# Altium PCB CableNodeRevF Export in PCB ASCII Format.PcbDoc (part 3 of 4)
Units mil, origin at the board's own origin, x right, y up, seen from the top; angles counter-clockwise.
Board outline 3393.33 x 4682.75 mil, 4 copper layers (Top Layer, Internal Plane 1, Internal Plane 2, Bottom Layer); 163 components, 86 nets, 408 pads, 182 vias.
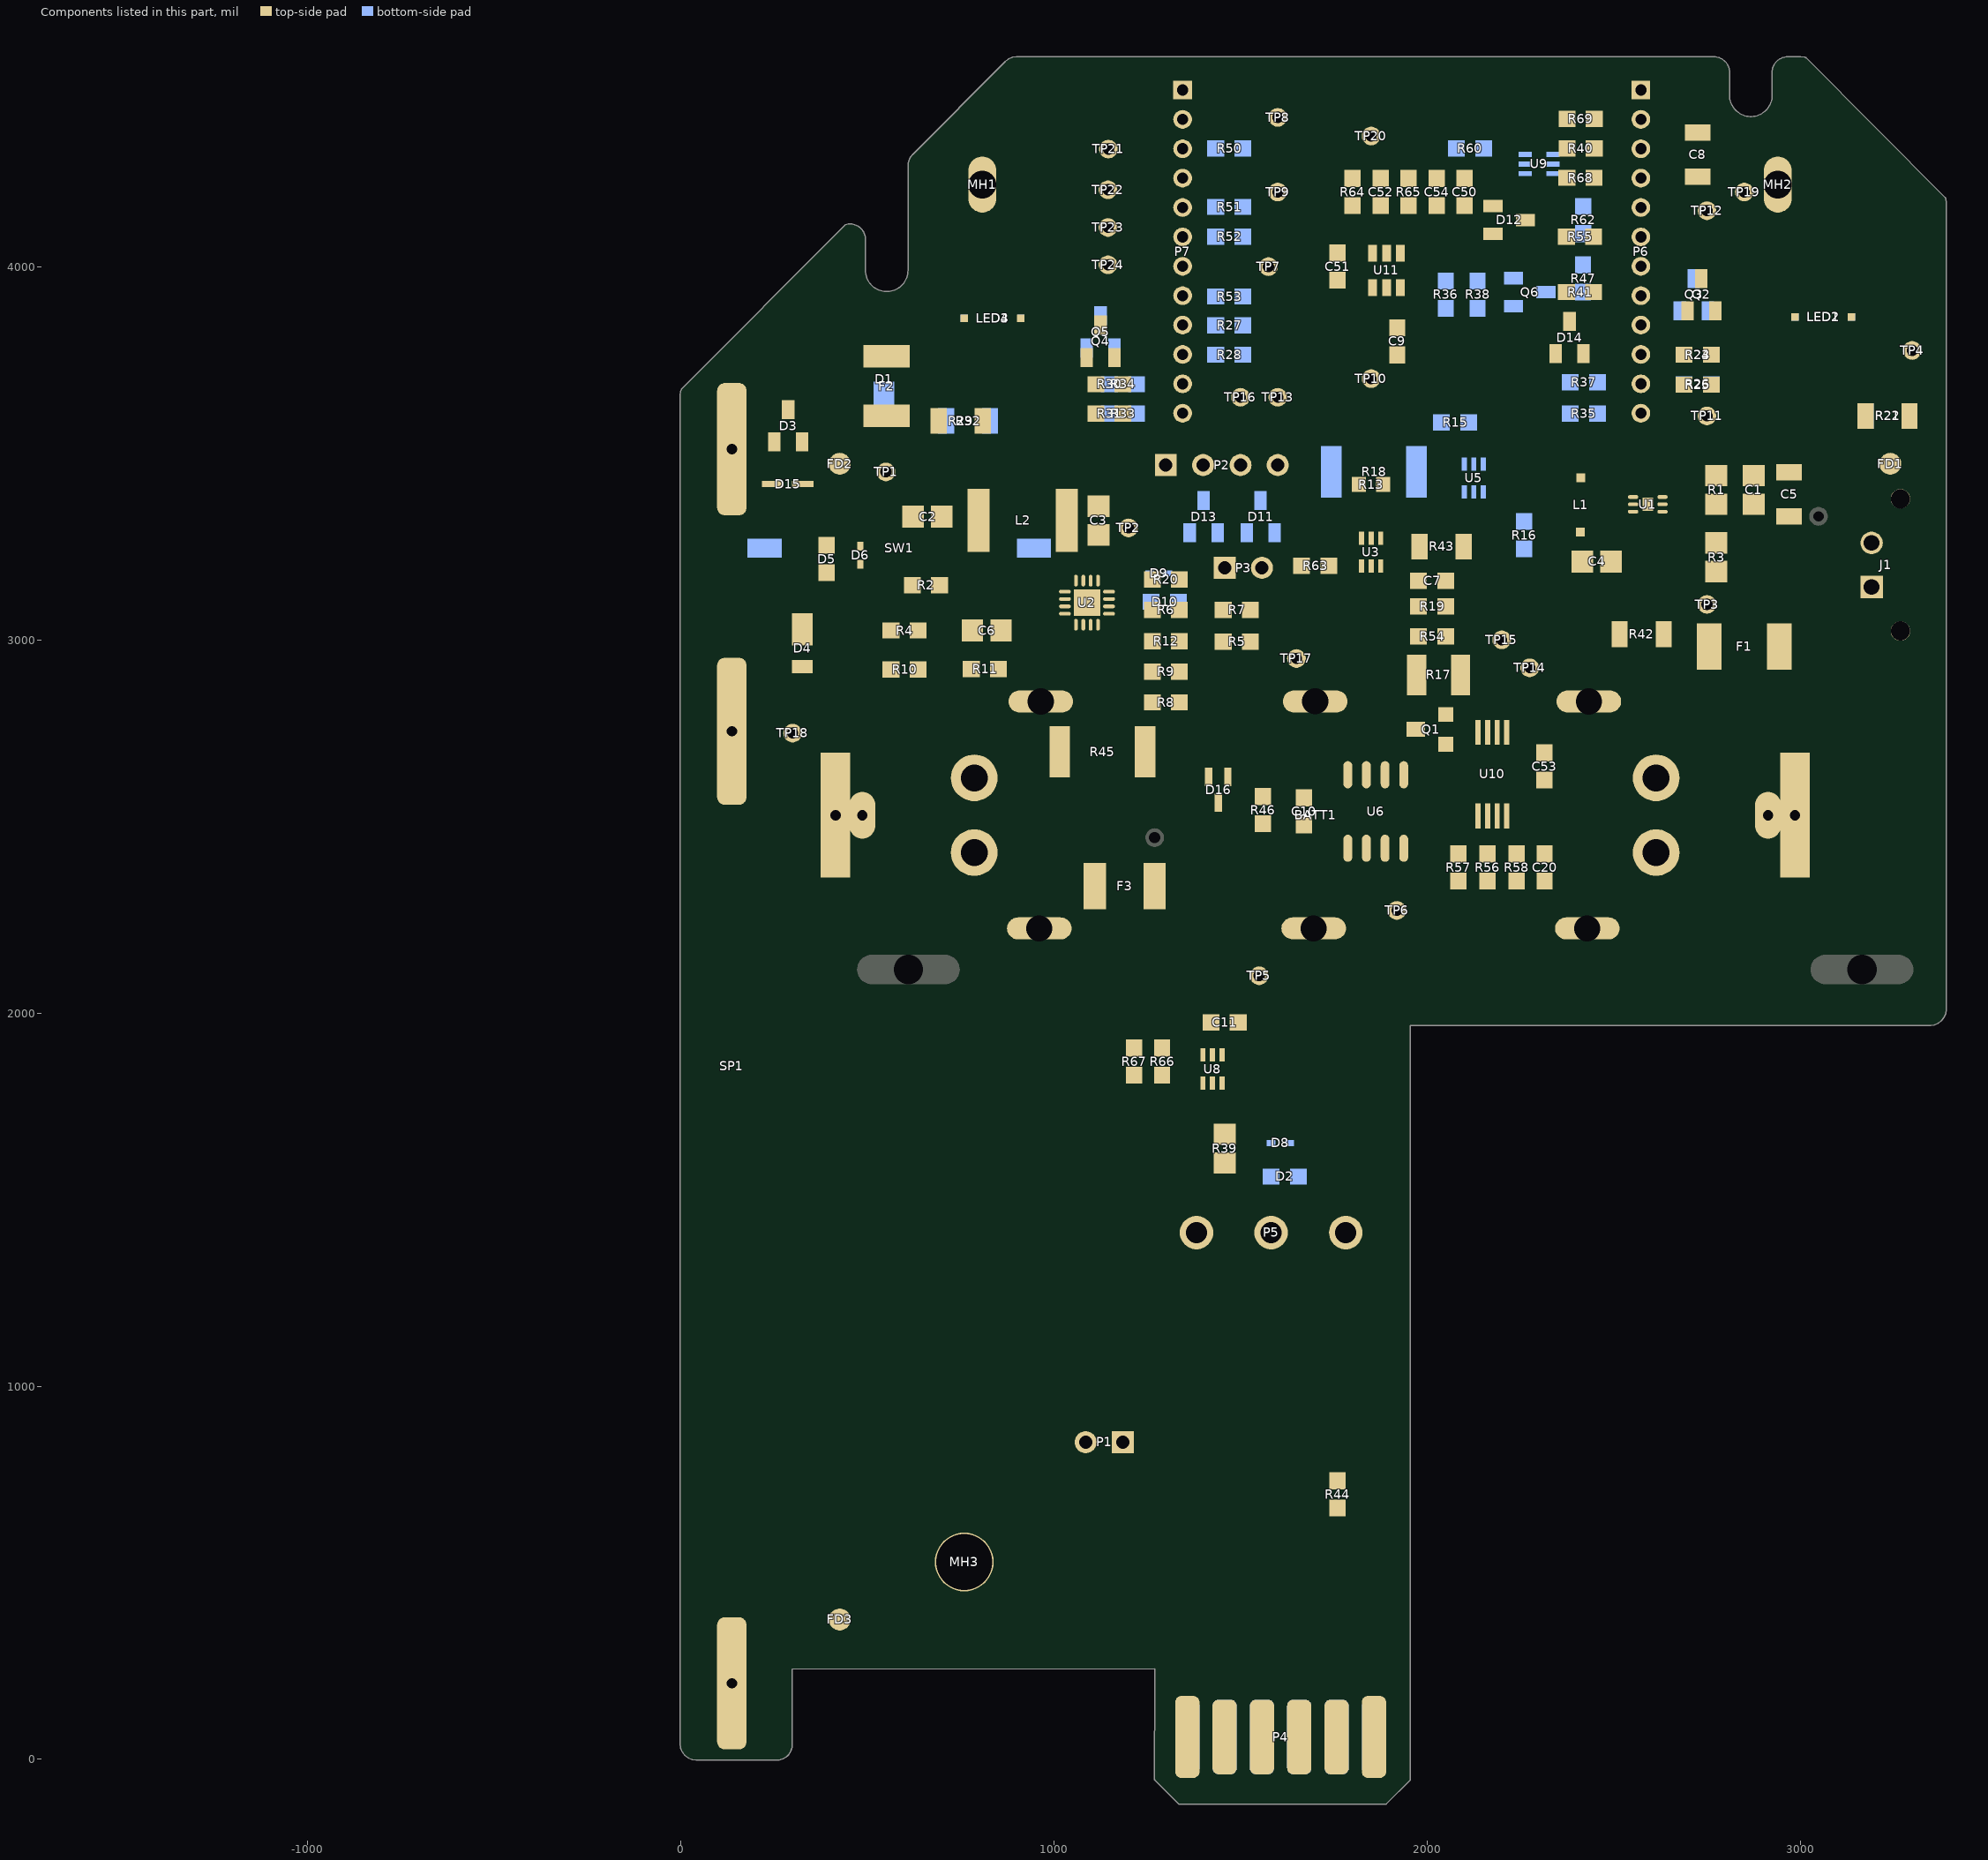
[diagram p5: the components of this part, seen from the top]

## Other copper (continued)
Internal Plane 2 (plane layer: these items are gaps in the copper):
  lines w10: 459.02,4085.71 470.95,4085.71 ; 2793.91,4535.64 2799.55,4530 ; 2970,4506.61 2970,4513.81 ; 3022.14,4530.58 3025,4533.44
  lines w20: 1775.59,3200.79 1678.38,3200.79 1603.58,3275.59 1370.08,3275.59 1248.03,3397.64 1248.03,3511.81 1267.72,3531.5 1382.74,3531.5 1404.88,3553.64 1404.88,4227.72 1433.07,4255.91 1641.73,4255.91 1669.29,4283.46 2137.8,4283.46 2165.35,4311.02 2248.98,4311.02 2282.62,4277.38 2634.68,4277.38 2653.54,4258.52 2653.54,4155.55 2617.99,4120 2474.33,4120 2421.26,4066.93 2421.26,3483.96 2456.69,3448.53 2456.69,3169.29 ; 1930.02,2010 1749.84,2010 1562.99,2196.85 1244.09,2196.85 1204.72,2236.22 1204.72,2527.56 1244.09,2566.93 1425.2,2566.93 1649.61,2342.52 1948.82,2342.52 1992.13,2299.21 2074.8,2299.21 2976.38,3200.79 3381.89,3200.79 ; 2618.11,2842.52 2409.45,3051.18 1856.01,3051.18 1775.59,3131.6 1775.59,3624.26 1801.33,3650 1932.68,3650 1955.86,3626.81 1955.86,3523.43 1915,3482.56 1915,3258.23 1955.86,3217.36 2035.43,3137.8 2425.2,3137.8 2456.69,3169.29 ; 2870.08,3094.49 2795.28,3169.29 2456.69,3169.29
  lines w40: 860,4535.64 2793.91,4535.64 ; 2946.98,4530.58 3022.14,4530.58 ; -0.42,30.33 cw(c1.44,31.1) -0.56,30.84 -2,41.78 cw(c0,42.04) -2.01,42.04 -1.65,3655.16 cw(c0.26,3655.8) -1.74,3656.06 -0.47,3665.76 cw(c1.53,3665.49) -0.33,3666.26 ; -0.43,30.34 ccw(c1.44,31.1) -0.42,30.33 ; -0.43,30.34 -0.42,30.33 ; -0.42,30.33 3.8,20.15 ccw(c5.66,20.92) 4.06,19.69 10.78,10.94 ccw(c12.37,12.17) 11.15,10.57 19.9,3.85 ccw(c21.12,5.45) 20.35,3.59 ; -0.33,3666.27 1.58,3670.87 ; -0.33,3666.26 -0.33,3666.27 ; 1.58,3670.88 cw(c3.44,3670.11) 2.01,3671.53 ; 1.58,3670.88 ccw(c3.44,3670.11) 1.58,3670.87 ; 2.02,3671.53 440.86,4112.27 441.71,4112.78 cw(c453.67,4073.16) 495.06,4073.16 495.06,3990.26 ccw(c552.1,3990.26) 609.14,3990.26 609.14,4270.78 cw(c650.52,4270.78) 621.2,4299.99 ; 2.01,3671.53 2.02,3671.53 ; 20.34,3.59 ccw(c21.12,5.45) 20.36,3.59 ; 20.35,3.59 20.36,3.59 ; 20.34,3.59 20.35,3.59 ; 20.35,3.59 20.36,3.59 ; 20.36,3.59 30.53,-0.63 30.54,-0.63 ccw(c31.31,1.23) 31.08,-0.77 41.46,-1.99 ccw(c41.7,0.01) 41.7,-2.01 257.44,-2.02 ; 257.44,-2.01 ccw(c257.47,39.37) 257.44,-2.01 ; 257.44,-2.01 ccw(c257.47,39.37) 298.86,39.37 298.86,241.45 1269.98,243.31 1269.96,209.4 ccw(c1271.98,209.4) 1269.97,209.27 1270.08,207.49 1269.79,-53.51 ccw(c1271.77,-53.92) 1270.34,-55.34 1334.35,-119.35 ; 257.44,-2.02 257.44,-2.02 ; 621.21,4299.99 ccw(c622.63,4298.57) 621.2,4299.99 ; 621.21,4299.99 869.88,4549.85 cw(c871.31,4548.43) 869.89,4549.86 cw(c871.31,4548.43) 870.06,4550.01 870.07,4550.02 878.32,4556.54 ; 621.2,4299.99 621.2,4299.99 ; 878.33,4556.54 cw(c879.57,4554.96) 878.8,4556.82 ; 878.33,4556.54 ccw(c879.57,4554.96) 878.32,4556.54 ; 878.81,4556.82 888.98,4561.04 cw(c889.76,4559.18) 889,4561.05 ; 878.8,4556.82 878.81,4556.82 ; 888.99,4561.04 cw(c889.76,4559.18) 889.53,4561.18 899.91,4562.4 cw(c900.15,4560.4) 900.15,4562.42 2769.15,4562.27 ; 888.99,4561.04 889,4561.05 ; 1334.35,-119.35 ccw(c1335.79,-117.94) 1334.37,-119.37 ; 1334.36,-119.36 ccw(c1335.79,-117.94) 1335.79,-119.95 1889.4,-120.12 ccw(c1889.4,-118.11) 1890.83,-119.53 ; 1334.36,-119.36 1334.37,-119.37 ; 1890.84,-119.52 cw(c1889.4,-118.11) 1890.82,-119.54 1954.81,-55.55 ; 1890.83,-119.53 1890.84,-119.52 ; 1954.81,-55.55 cw(c1953.37,-54.13) 1954.79,-55.57 1954.81,-55.55 ; 1954.81,-55.55 ccw(c1953.38,-54.12) 1955.4,-54.12 ccw(c1953.38,-54.12) 1955.39,-53.93 1955.08,1966.64 3349.8,1966.64 ccw(c3349.8,1968.66) 3350.06,1966.66 3358.25,1967.74 ccw(c3357.99,1969.74) 3358.76,1967.88 ; 1954.81,-55.55 1954.81,-55.55 ; 2769.15,4562.27 cw(c2769.15,4520.89) 2810.53,4520.89 2810.53,4459.27 ccw(c2867.57,4459.27) 2924.61,4459.27 2924.61,4520.89 cw(c2966,4520.89) 2966,4562.27 2999.83,4562.27 cw(c3000.99,4560.62) 3001.25,4562.62 3012.57,4561.13 cw(c3012.31,4559.13) 3014.15,4559.94 ; 2769.15,4562.27 2769.15,4562.27 ; 3014.15,4559.94 cw(c3014.74,4558.01) 3016.17,4559.43 3388.43,4185.01 cw(c3387,4183.59) 3389.01,4183.6 cw(c3387.8,4181.99) 3389.8,4182.25 3391.29,4170.88 cw(c3389.3,4170.62) 3391.31,4170.62 cw(c3389.3,4170.62) 3390.96,4169.48 3390.94,2008.01 cw(c3388.94,2007.8) 3390.96,2007.8 cw(c3388.94,2007.8) 3390.94,2007.54 3389.86,1999.35 cw(c3387.86,1999.61) 3389.72,1998.84 ; 3014.15,4559.94 3014.15,4559.94 ; 3358.75,1967.87 ccw(c3357.99,1969.74) 3358.77,1967.88 ; 3358.76,1967.88 3358.77,1967.88 ; 3358.76,1967.88 3358.77,1967.88 ; 3358.75,1967.87 3358.76,1967.88 ; 3358.77,1967.88 3368.94,1972.09 ; 3368.94,1972.09 ccw(c3368.18,1973.96) 3368.96,1972.1 ; 3368.95,1972.1 ccw(c3368.18,1973.96) 3369.41,1972.36 3378.15,1979.07 ccw(c3376.93,1980.67) 3378.53,1979.44 3385.24,1988.19 ccw(c3383.64,1989.42) 3385.5,1988.65 ; 3368.94,1972.09 3368.95,1972.1 ; 3368.94,1972.09 3368.95,1972.1 ; 3368.95,1972.1 3368.96,1972.1 ; 3385.5,1988.64 ccw(c3383.64,1989.42) 3385.51,1988.66 ; 3385.5,1988.65 3385.51,1988.66 ; 3385.5,1988.65 3385.51,1988.66 ; 3385.5,1988.64 3385.5,1988.65 ; 3385.51,1988.66 3389.72,1998.83 ; 3389.72,1998.83 ccw(c3387.86,1999.61) 3389.73,1998.85 ; 3389.72,1998.83 3389.72,1998.84 ; 3389.72,1998.83 3389.72,1998.84 ; 3389.72,1998.84 3389.73,1998.85
  lines w60: 18.34,3645.04 459.02,4085.71 ; 287.66,280 1281.12,280 ; 1310,-80 1912.19,-80 ; 1930.02,2010 3345.61,2010
  lines w80: 1930.02,1860 1930.02,2010
  lines w100: 40,460 40,730 ; 50,2200 50,2480 ; 1450,4524.14 2450,4524.14 ; 1920,320 1920,500 ; 2970,4506.61 3294.88,4181.73 ; 3340,2380 3340,2653 ; 3340,3890 3340,4160
  text "Internal Plane 2 (PWR)" at 3960,5855 h150

## Silkscreen, mask and mechanical layers (free items; w line width, h text height)
Top Overlay:
  lines w4: 188.59,691.98 240.44,2176.86
  lines w5: 86,176.86 27.87,176.86 24.81,1.66 124.6,1.66 ; 164.48,1.66 302.28,1.66 347.68,1301.78 366.55,1842.21 969.14,1842.21 963.3,2176.86 240.44,2176.86 ; 198.19,3654.79 198.19,3780.31 472.36,4055.84 ; 471.73,3990.15 ccw(c551.73,3990.15) 562.18,3910.84 ; 472.09,3990.15 472.35,4060.82 ccw(c443.68,4060.82) 423.35,4081.04 198.19,3854.76 198.19,3655.79 562.19,3910.66 ; 2826.3,4393.66 3375.3,4009.66 3375.3,4168.66 ccw(c3343.92,4168.66) 3366.11,4190.85 3018.38,4538.59 ccw(c3001.3,4521.52) 3001.3,4545.66 ; 2847.11,4387.58 ccw(c2871.84,4463.66) 2951.84,4463.66 ; 2951.95,4463.66 2951.95,4521.25 cw(c2976.95,4521.25) 2976.95,4546.25 ; 221.21,1960.32 221.21,2176.85 970.96,2176.85 970.96,1960.32 221.21,1960.32
  lines w7: 2292.64,4180 2292.64,4170.36 2310,4153 2310,4090 2320,4080
  lines w10: 2320,4000.98 2320,4024.21 2330,4034.21
  text "Top Silkscreen Layer" at 3960,6249.43 h150
  text "V" at 1946,4500 h40
  text "+4.8V" at 103.56,3289.06 h100 r270
  text "GND" at 1610,3282 h40 r90
  text "PIN" at 1349,3281 h40 r90
  text "TXD" at 1545,3280.28 h40 r90
  text "RXD" at 1418,3280 h40 r90
  text "+3.6V" at 103.56,2529.22 h100 r270
  text "+ + +" at 3260,2430 h100 r90
  text "- -" at 330,2385 h100 r90
  text "OPIsystems" at 353.68,925 h180
  text "Cable Node" at 540,810 h122
  text "REV F" at 350,675 h122
  text "GND" at 99.62,659.14 h100 r270
  text "GND" at 450,525 h60
Bottom Overlay:
  lines w8: 1077.52,3475 1099.52,3453 1099.52,3375.48 1150,3325
  lines w10: 481.69,2175.67 856.69,2175.67 ; 1530,3682 1558,3710 1590,3710
  text "Bottom Silkscreen Layer" at 5160,5580 h150
  text "+4.8V" at 320,3675 h100 r90
  text "+ + +" at 3260,2930 h100 r90
  text "+3.6V" at 174.42,2529.22 h100 r90
  text "LiFePO4 Battery" at 2212.99,2460 h175
  text "- -" at 310,2365 h100 r90
  text "18650" at 1531.19,2200.03 h100
  text "26650" at 1255.1,2071.4 h100
  text "5VDC IN" at 1446.19,976.66 h100 r90
  text "WHITE" at 1651.19,976.66 h100 r90
  text "BLACK" at 1856.19,976.66 h100 r90
  text "Jumper ON : STOP" at 980,870 h110
  text "Jumper OFF : RUN" at 980,770 h110
  text "GND" at 610.19,550 h60
  text "GND" at 99.62,430.8 h100 r270
Mechanical 1:
  lines w4: 0.26,3655.8 1.53,3665.49 3.44,3670.11 442.29,4110.85 ; 0.35,3582.51 492.84,4077.12 ; 0.36,3655.8 0,42.04 ccw(c42.25,42.04) 12.37,12.17 12.39,12.15 ccw(c41.7,41.46) 41.7,0.01 257.44,0 ccw(c257.47,39.37) 296.84,39.37 296.84,298.57 1272.04,300.44 1271.98,209.4 1272.1,207.55 1271.81,-53.92 1953.37,-54.12 ; 30,3570.97 30,3582.51 cw(c64.14,3582.51) 40,3606.66 ; 296.84,243.46 1272,245.33 ; 442.29,4110.85 cw(c453.67,4073.16) 493.04,4073.16 493.04,3990.26 ccw(c552.1,3990.26) 611.15,3990.26 611.15,4270.78 cw(c650.52,4270.78) 622.63,4298.57 871.31,4548.43 879.57,4554.96 889.76,4559.18 900.15,4560.4 2769.15,4560.26 cw(c2769.15,4520.89) 2808.52,4520.89 2808.52,4459.27 ccw(c2867.57,4459.27) 2926.63,4459.27 2926.63,4520.89 cw(c2966,4520.89) 2966,4560.26 3000.99,4560.26 ; 1271.77,-53.92 1335.79,-117.94 1889.4,-118.11 1953.38,-54.12 ; 1953.06,1968.66 3349.8,1968.66 3357.99,1969.74 3368.18,1973.96 3376.93,1980.67 3383.64,1989.42 3387.86,1999.61 3388.94,2007.8 ; 2939.04,4549.58 3388.94,4097.08 ; 3000.99,4560.62 3012.31,4559.13 ; 3014.74,4558.01 3387,4183.59 ; 3387.8,4181.99 3389.3,4170.62 ; 3388.93,2007.8 3388.94,4170.57 ; 3388.99,2023.78 1953.05,2023.78 1953.37,-54.13
  text "Mechanical Layer: Board Outline" at 2078.74,162.66 h150
Mechanical 2:
  lines w4: 1270.46,-84.5 1270.46,-77.08 1270.46,-84.5
  lines w5: 10.3,3680.42 ccw(c45.44,3649.66) -1.16,3652.65 -1.16,39.06 ccw(c38.21,39.06) 38.21,-0.31 491.19,-0.31 ccw(c491.19,34.69) 526.19,34.69 526.19,203.39 cw(c566.19,203.39) 566.19,243.39 1139.27,243.39 1231.09,243.39 cw(c1231.09,204.02) 1270.46,204.02 1270.46,-84.5 1304.34,-118.39 1912.64,-118.39 1946.83,-84.19 1946.83,1928.82 cw(c1986.2,1928.82) 1986.2,1968.19 ; 11.39,3681.51 441.19,4113.46 cw(c469.1,4085.69) 508.47,4085.69 508.47,3985.3 ccw(c548.06,3985.3) 587.66,3985.3 587.66,4244.41 cw(c627.03,4244.41) 599.12,4272.18 868.75,4543.16 cw(c896.66,4515.39) 896.66,4554.76 2482.27,4554.76 2786.93,4554.76 cw(c2786.93,4515.39) 2826.3,4515.39 2826.3,4451.94 ccw(c2863.54,4451.94) 2900.77,4451.94 2900.77,4515.39 cw(c2940.14,4515.39) 2940.14,4554.76 2996.95,4554.76 cw(c2996.95,4515.39) 3024.86,4543.16 3370.93,4195.36 cw(c3343.02,4167.59) 3382.39,4167.59 3382.39,2007.56 ; 507.63,2078.54 507.63,2157.05 ; 547,2078.43 547,2157.17 ; 3039.13,2090.43 3039.13,2145.17 ; 3078.5,2078.43 3078.5,2157.17 ; 3343.02,1968.19 ccw(c3343.02,2007.56) 3382.39,2007.56 ; 3382.39,2058.74 3382.39,2007.56 ; 3700,482.64 5056.82,482.64 ; 4374.49,7458.48 4014.49,7458.48 ; 4374.49,7738.48 4014.49,7738.48 ; 4704.49,8168.48 3944.49,8168.48 3944.49,7845.96 3949.1,7845.05 3953.01,7842.44 3955.62,7838.53 3956.53,7833.92 3955.62,7829.31 3953.01,7825.41 3949.1,7822.79 3944.49,7821.88 3944.49,7805.81 3948.43,7806.59 3953.04,7805.68 3956.94,7803.07 3959.55,7799.16 3960.47,7794.55 3959.55,7789.94 3956.94,7786.04 3953.04,7783.42 3948.43,7782.51 3944.49,7783.29 3944.49,7764.12 3947.76,7766.31 3952.37,7767.22 3956.97,7766.31 3960.88,7763.7 3963.49,7759.79 3964.41,7755.18 3963.49,7750.57 3960.88,7746.67 3956.97,7744.05 3952.37,7743.14 3947.76,7744.05 3944.49,7746.24 3944.49,7727.07 3948.43,7727.85 3953.04,7726.94 3956.94,7724.33 3959.55,7720.42 3960.47,7715.81 3959.55,7711.2 3956.94,7707.3 3953.04,7704.68 3948.43,7703.77 3944.49,7704.55 3944.49,7688.48 3949.1,7687.57 3953.01,7684.96 3955.62,7681.05 3956.53,7676.44 3955.62,7671.83 3953.01,7667.92 3949.1,7665.31 3944.49,7664.4 3944.49,7288.48 4714.49,7288.48 ; 4014.49,7458.48 4204.49,7489.3 4204.49,7428.48 4014.49,7458.48 ; 4014.49,7738.48 4204.49,7708.48 4204.49,7769.3 4014.49,7738.48 ; 510.65,2078.43 cw(c510.65,2117.8) 510.65,2157.17 707.5,2157.17 cw(c707.5,2117.8) 707.5,2078.43 510.65,2078.43 ; 3067.43,2078.43 cw(c3067.43,2117.8) 3067.43,2157.17 3264.28,2157.17 cw(c3264.28,2117.8) 3264.28,2078.43 3067.43,2078.43
  lines w10: -790,3030 -113.05,2353.05 ; -790,4930 -790,1330 -140,680 ; 2031,420 3470,420 3680,630 3680,2520 ; 3480,2520 3680,2520 ; 3490,4000 3679,4000 ; 3680,3999 3680,2520
  text "IMPORTANT:" at 4000,8850 h150
  text "Please make sure that perferated edges of Mouse Bytes" at 4005,8665 h150
  text "are within the edge of the PCB - aka no jagged edges of" at 4005,8505 h150
  text "the byte can exist outside of the PCB edge." at 4010.69,8335 h150
  text "When panelizing this design please use Mouse Bites." at 4115,8035 h100
  text "This will place the ragged edge of the holes behind the edge of the PCB." at 4114.49,7914.4 h100
  text "Mouse Bite" at 4404.49,7711.2 h100
  text "Mechanical 2 Layer: Mouse Bites Panelization Details" at 3944.49,7108.27 h150
  text "Mechanical 2 Layer - Mouse Bytes Information Layer" at 3950,5285 h150
  text "Mouse Byte Plane Relief" at -1150,5020 h150
  text "Mouse Byte Plane Relief" at 3770,3926.12 h150
Mechanical 3:
  lines w5: 19.26,18.6 cw(c43.56,42.9) 9.19,42.9 9.19,3652.12 cw(c40.14,3652.12) 18.26,3674 448.56,4106.45 cw(c468.89,4086.23) 497.56,4086.23 ; 20.19,17.66 ccw(c37.09,34.56) 37.09,10.66 486.19,10.66 ; 481.19,10.66 ccw(c481.19,46.88) 506.8,21.27 ; 497.19,4092.66 497.19,3985.66 ccw(c547.19,3985.66) 597.19,3985.66 597.19,4246.66 cw(c623.75,4246.66) 604.97,4265.44 877.42,4537.88 cw(c896.19,4519.11) 896.19,4545.66 1513.78,4545.66 ; 508.54,23 ccw(c494.88,36.66) 514.19,36.66 514.19,201.66 cw(c569.72,201.66) 530.46,240.93 ; 531.19,241.66 cw(c562.58,210.28) 562.58,254.66 1232.19,254.66 1233.19,254.66 cw(c1233.19,206.66) 1281.19,206.66 ccw(c1301.19,206.66) 1301.19,186.66 1881.19,186.66 1923.19,186.66 ccw(c1923.19,201.66) 1938.19,201.66 1938.19,1932.48 cw(c1979.68,1932.48) 1950.35,1961.81 cw(c1986.19,1925.96) 1986.19,1976.66 3346.19,1976.66 ccw(c3346.19,2000.8) 3363.27,1983.73 ; 1516.19,4546.66 cw(c1525.85,4537) 1525.85,4550.66 2486.54,4550.66 cw(c2486.54,4537) 2496.19,4546.66 ccw(c2508.27,4558.73) 2508.27,4541.66 2789.71,4541.66 cw(c2789.71,4521.18) 2804.19,4535.66 2809.54,4530.32 cw(c2795.88,4516.66) 2815.19,4516.66 2815.19,4451.66 ccw(c2865.89,4451.66) 2830.04,4415.81 ccw(c2859.38,4445.15) 2859.38,4403.66 2865.4,4403.66 ccw(c2865.4,4451.46) 2899.19,4417.66 ccw(c2870.22,4446.63) 2911.19,4446.63 2911.19,4517.25 ; 2911.19,4517.35 cw(c2938.51,4517.35) 2919.19,4536.66 cw(c2940.92,4514.93) 2940.92,4545.66 3000.19,4545.66 cw(c3000.19,4521.52) 3017.27,4538.59 3365,4190.85 cw(c3342.81,4168.66) 3374.19,4168.66 ; 3366.19,1986.66 ccw(c3346.88,2005.98) 3374.19,2005.98 ; 3374.19,2006.66 3374.19,4168.66 ; 3374.19,4009.66 3374.19,4168.66
  lines w10: 9.19,3670 2189.19,5850 2190,5850 ; 1720,5860 3380,4200 ; 1930,4920 1959.19,4890.81 ; 1959.19,5620 1959.19,4890.81 ; 1960,4890 1959.19,4890.81 ; 1990,4920 1960.81,4890.81 1959.19,4890.81
  text "Center of Plastic Cone" at 1990,5740 h60 r90
  text "Plastic Cone Edge" at 2160,5490 h60 r315
  text "Mechanical 3 Layer: Plastic Cone and Radio Center Lineup" at 3955,4845 h150
  text "Plastic Cone Edge" at 1010,4760 h60 r45
Mechanical 4:
  lines w9.84: 189,4163.5 189,3976 ; 189,4678 189,3976 ; 3451.5,4495 3264,4495 ; 3764,4495 3264,4495 ; 5227.88,656.48 5930.52,656.48 ; 5227.88,1041.52 5790.38,1041.52 ; 5347.49,2207.04 cw(c5852.88,1041.52) 5852.88,2311.9 ; 5352.88,468.98 5352.88,656.48 ; 5352.88,1229.02 5352.88,1041.52 ; 5352.88,1541.52 5352.88,1041.52 ; 5375.63,2352.75 5971.65,715.21 ; 5665.38,156.48 5852.88,156.48 ; 5852.88,31.48 5852.88,979.02 ; 5852.88,1104.02 5852.88,2436.9 ; 6242.65,31.48 6242.65,979.02 ; 6430.15,156.48 6242.65,156.48 ; 6742.65,156.48 6242.65,156.48 ; 189,3976 157.75,4163.5 220.25,4163.5 189,3976 ; 3264,4495 3451.5,4526.25 3451.5,4463.75 3264,4495 ; 5352.88,656.48 5321.63,468.98 5384.13,468.98 5352.88,656.48 ; 5352.88,656.48 5352.88,156.48 5852.88,156.48 ; 5352.88,1041.52 5384.13,1229.02 5321.63,1229.02 5352.88,1041.52 ; 5852.88,156.48 5665.38,125.23 5665.38,187.73 5852.88,156.48 ; 5852.88,2311.9 5663.59,2329.24 5668.2,2266.91 5852.88,2311.9 ; 6242.65,156.48 6430.15,125.23 6430.15,187.73 6242.65,156.48 ; 5418.39,2235.29 5607.32,2256.18 5590.33,2316.32 5418.39,2235.29 ; 5852.88,1041.52 5852.88,3018.69 6242.65,3018.69 6242.65,1041.52 6102.5,656.48 5993.02,656.48 5852.88,1041.52
  lines w10: 300,-220 300,-60 ; 451.19,-178.34 411.19,-138.34 ; 451.19,-98.34 411.19,-138.34 ; 1183.4,-176.6 1221.66,-138.34 1222,-138.34 ; 1184.4,-100.74 1222,-138.34 ; 1250,-320 1250,-40 ; 1311.19,-278.34 1271.19,-238.34 ; 1311.19,-198.34 1271.19,-238.34 ; 1881.19,-278.34 1921.19,-238.34 ; 1881.19,-198.34 1921.19,-238.34 ; 1955.86,-320 1955.86,-160 ; 2000.83,-239.17 2040,-278.34 ; 2001.66,-240 3340,-240 ; 2001.66,-236.68 2040,-198.34 ; 2009.53,1860 2009.53,1910 ; 2059.53,1390 2059.53,1860 2009.53,1910 ; 2059.53,1910 2009.53,1910 ; 3300,-280 3340,-240 ; 3300,-200 3340,-240 ; 3380,-320 3380,-160 ; 411.19,-138.34 1222,-138.34 ; 1271.19,-238.34 1921.19,-238.34
  lines w20: 4200,600 4300,500 ; 4300,3210 4300,500 ; 4400,600 4300,500
  text "PCB edge" at 4404.49,7428.48 h100
  text "Mechanical 4 Layer: Mouse Byte and Chamfer Detail Layer" at 3955,5150 h150
  text "CHAMFER THIS EDGE" at -600,4730 h60
  text "CHAMFER THIS EDGE" at 3835,4473 h60
  text "CHAMFER DETAIL - SCALE: 6.0" at 4865,3310 h80
  text "20 degrees" at 5024,2440.36 h80
  text "into plastic enclosure." at 4450,1300 h150 r90
  text "Please route 0.040\" into the" at 2051.42,1270 h150
  text "Direction of PCB Insertion" at 4250,1200 h150 r90
  text "PCB to remove as much of the" at 2051.42,1160 h150
  text "corner radius as possible in the" at 2051.42,1060 h150
  text "Y - axis (Vertical)." at 2049,948 h150
  text "1,63 [.064]" at 4953,839.36 h80
  text "Fit into the plastic enclosure" at 2049,790 h150
  text "requires as close to a 90 deg." at 2049,680 h150
  text "clearance as possible." at 2049,560 h150
  text "1,65 [.065]" at 5702,-133.64 h80
  text "Chamfer these edge areas" at 998,-530 h150
  text "Chamfer these edge areas" at 3211.52,-5075 h150
Mechanical 5:
  circle w9.84: c1586.14,1414.72 r28.5
  circle w9.84: c1386.14,1414.72 r28.5
  circle w9.84: c1786.14,1414.72 r28.5
  lines w4: 127.04,73.15 ccw(c141.04,73.15) 155.04,73.15
  lines w9.84: 127.04,73.15 127.04,340.43 cw(c141.04,340.43) 155.04,340.43 155.04,73.15 ; 504.13,2525 504.13,3003.35 cw(c543.5,3003.35) 543.5,3042.72 ; 543.5,2525 543.5,3042.72 ; 3034.65,3042.72 cw(c3034.65,3003.35) 3074.02,3003.35 ; 3035.63,2525 3035.63,3042.72 543.5,3042.72 ; 488.64,2041.03 cw(c488.64,2080.4) 449.27,2080.4 449.27,2401.27 449.27,2722.14 cw(c488.64,2722.14) 488.64,2761.51 ; 488.64,2041.03 488.64,2401.27 488.64,2761.51 ; 488.64,2041.03 2980.77,2041.03 ; 488.64,2761.51 2980.77,2761.51 ; 2980.77,2041.03 ccw(c2980.77,2080.4) 3020.14,2080.4 3020.14,2401.27 3020.14,2722.14 ccw(c2980.77,2722.14) 2980.77,2761.51 ; 2980.77,2041.03 2980.77,2401.27 2980.77,2761.51 ; 127.04,2624.33 ccw(c141.04,2624.33) 155.04,2624.33 155.04,2891.61 ccw(c141.04,2891.61) 127.04,2891.61 127.04,2624.33 ; 127.04,3380.24 ccw(c141.04,3380.24) 155.04,3380.24 155.04,3647.51 ccw(c141.04,3647.51) 127.04,3647.51 127.04,3380.24
  lines w10: 501.18,2525 3072.05,2525
Mechanical 6:
  lines w5: 153.44,11.5 132.68,11.5 129.79,-153.86 305.45,-153.86 ; 221.21,1980 492.13,1980 486.63,1822.52 373.37,1822.52 ; 1935.01,712 1935.01,1959.97 ; 149.98,-0.31 161.79,-0.31 161.79,3692.6 149.98,3692.6 149.98,-0.31
  lines w9.84: 153.79,1.84 165.6,1.84 165.6,3478.22 153.79,3478.22 153.79,1.84